# Altium PCB DD2088PoE_Daisy_Chain.PcbDoc (part 4 of 6)
Units mm, origin at the board's own origin, x right, y up, seen from the top; angles counter-clockwise.
Board outline 125 x 63 mm, 6 copper layers (Top Copper, Signal Layer 1, Signal Layer 2, Signal Layer 3, Signal Layer 4, Bottom Copper), stack 1.597 mm thick; 343 components, 263 nets, 1428 pads, 889 vias.
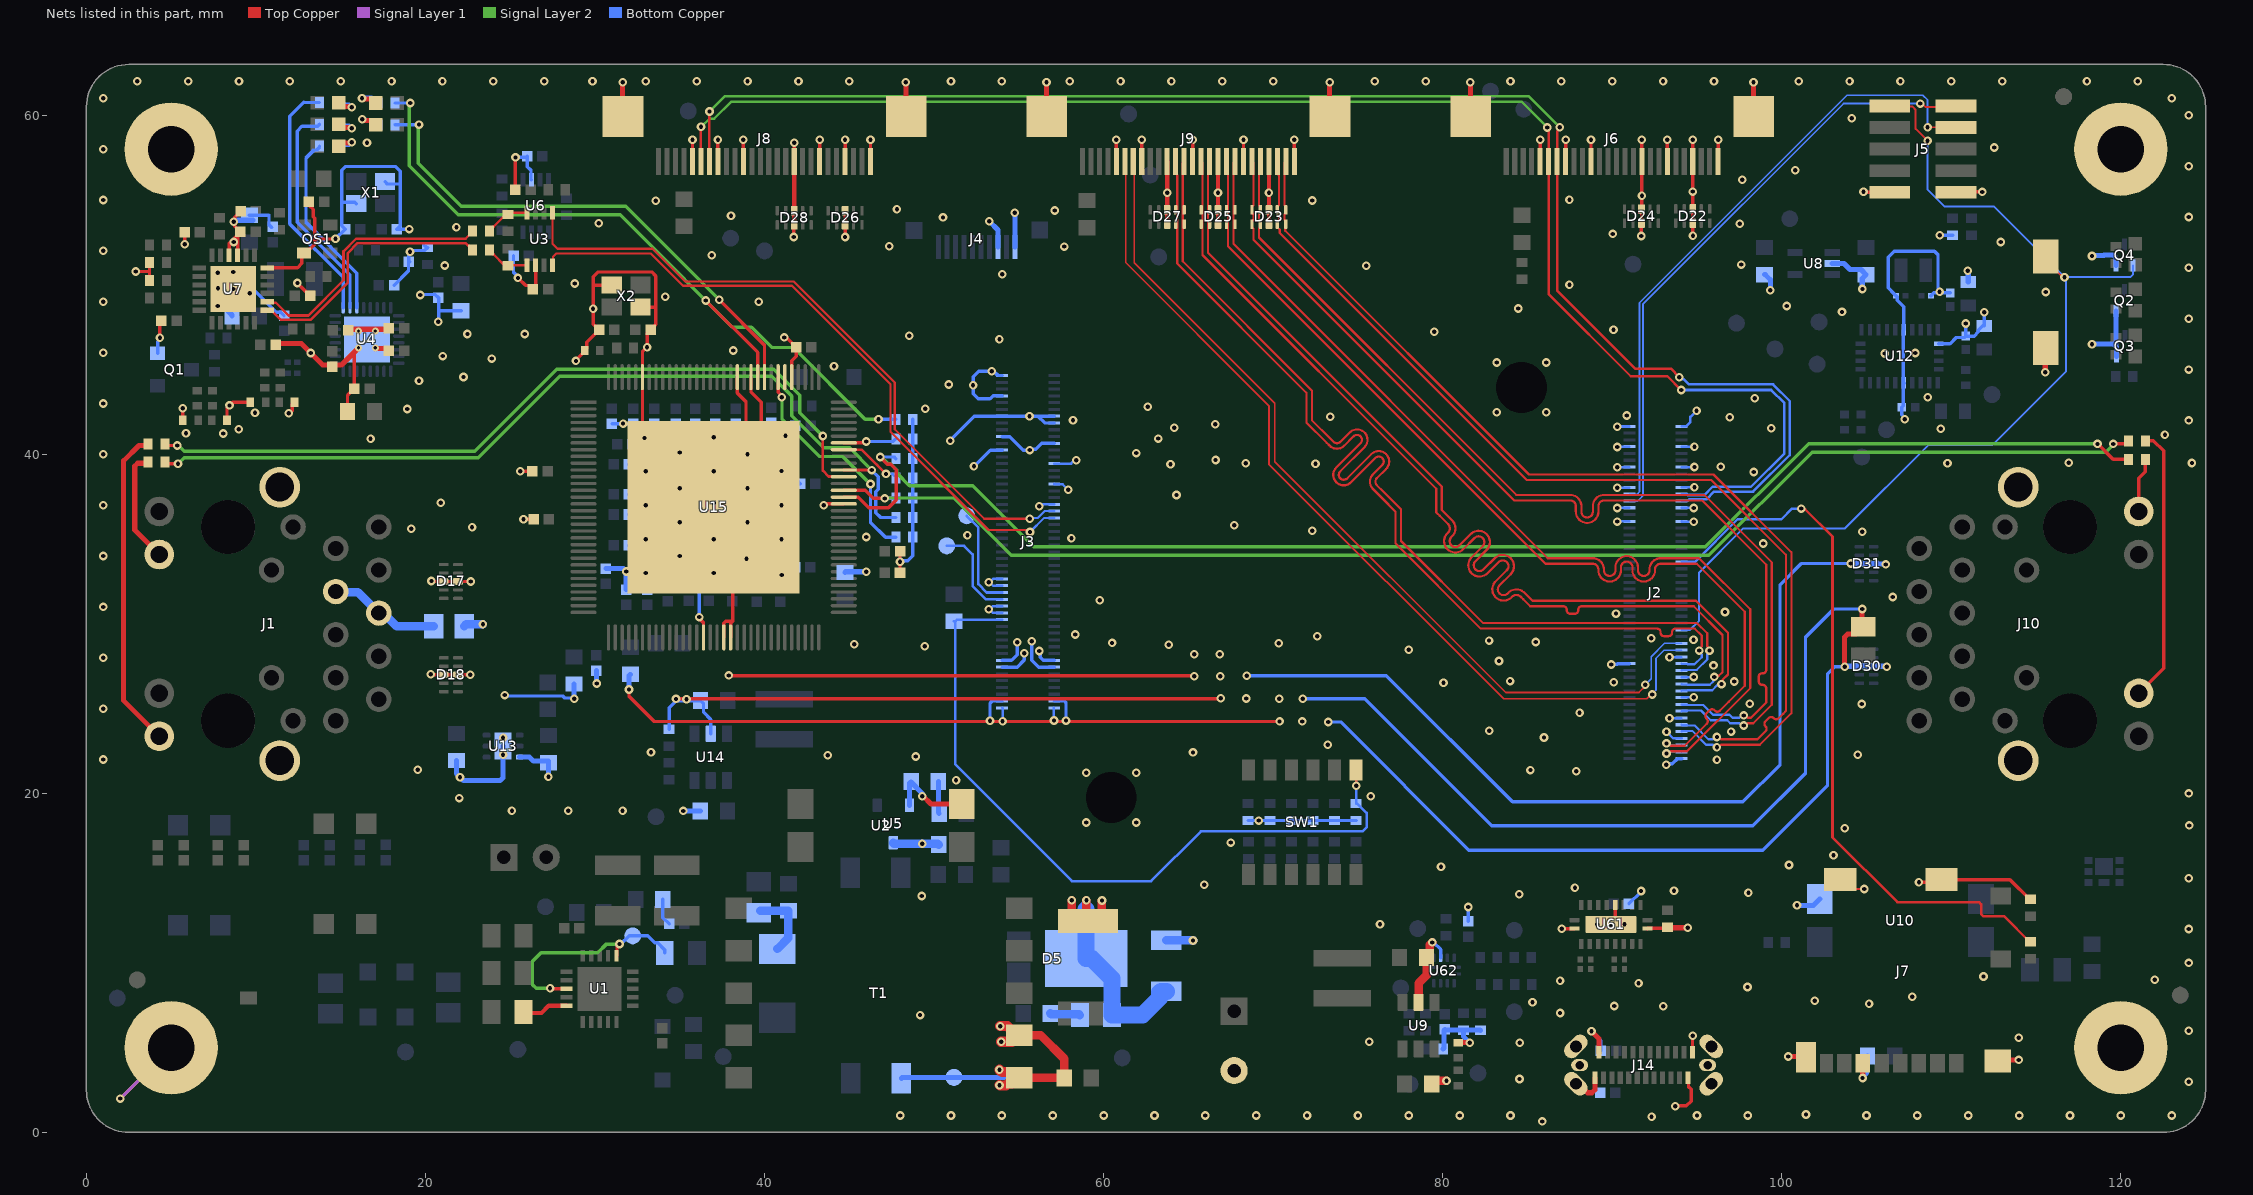
[diagram p8: the nets of this part, all layers, seen from the top]

## Via types
v1: diameter 0.508, hole 0.254, Top Copper to Bottom Copper, 871 vias
v2: diameter 0.406, hole 0.203, Top Copper to Bottom Copper, 8 vias
v3: diameter 0.508, hole 0.254, Top Copper to Bottom Copper, tented both sides, 8 vias
v4: diameter 0.6, hole 0.3, Top Copper to Bottom Copper, 2 vias

## Nets (pads, with @x,y where several pads share a name; then routed paths per layer and width w, separated by ;. In a path a pad name is that pad's centre, name@x,y a point inside that pad or via, vN(x,y) a via of type N, cw(c..) or ccw(c..) an arc to the next point about the centre after c; other vN are vias at no path point) (continued)
GND: B1.1 C6.1 C7.2 C9.1 C18.1 C19.1 C20.2 C21.1 C25.2 C27.2 C28.2 C29.2 C30.2 C31.2 C32.1 C34.1 C36.1 C37.1 C38.1 C39.1 C40.1 C41.1 C42.1 C43.1 C44.1 C45.1 C46.1 C47.1 C48.1 C49.1 C50.1 C52.1 C53.1 C55.1 C56.1 C57.1 C58.1 C59.1 C60.1 C61.1 C62.1 C63.1 C64.1 C67.1 C68.1 C69.1 C70.1 C71.1 C72.1 C73.1 C74.1 C75.1 C76.1 C77.1 C78.1 C79.1 C80.1 C81.1 C82.1 C83.1 C84.1 C85.1 C86.1 C87.1 C88.1 C89.1 C90.1 C91.1 C92.1 C93.1 C94.2 C95.1 C96.1 C97.1 C98.1 C99.1 C100.1 C101.1 C102.1 C103.1 C104.1 C105.1 C106.1 C107.1 C108.1 C109.1 C110.1 C111.1 C112.1 C113.1 C207.1 D17.3 D17.8 D18.3 D18.8 D22.3 D22.8 D23.3 D23.8 D24.3 D24.8 D25.3 D25.8 D26.3 D26.8 D27.3 D27.8 D28.3 D28.8 D30.3 D30.8 D31.3 D31.8 J1.19 J1.20 J2.1 J2.7 J2.13 J2.19 J2.25 J2.30 J2.31 J2.71 J2.72 J2.75 J2.76 J2.81 J2.82 J2.87 J2.88 J2.93 J2.94 J2.99 J2.100 J3.1 J3.2 J3.3 J3.4 J3.13 J3.14 J3.15 J3.16 J3.30 J3.32 J3.38 J3.40 J3.61 J3.67 J3.73 J3.78 J3.79 J3.82 J3.85 J3.87 J3.88 J3.94 J3.100 J4.8 J4.10 J5.9 J5.10 J6.1 J6.4 J6.7 J6.10 J6.16 J6.19 J6.22 J6.MP1 J6.MP2 J7.6 J7.11 J7.12 J7.13 J7.14 J8.1 J8.4 J8.7 J8.10 J8.16 J8.19 J8.22 J8.MP1 J8.MP2 J9.1 J9.4 J9.7 J9.10 J9.13 J9.16 J9.19 J9.22 J9.MP1 J9.MP2 J10.19 J10.20 J14.A1 J14.A12 J14.B1 J14.B12 J14.SH1 J14.SH2 J14.SH3 J14.SH4 J14.SH5 J14.SH6 MH1.1 MH2.1 MP1.1 MP2.1 MP3.1 MP4.1 OS1.2 Q1.2 Q2.2 Q3.2 Q4.2 R15.1 R19.2 R20.2 R21.2 R22.2 R23.2 R31.2 R32.2 R40.2 R41.1 R42.1 R43.1 R44.2 R45.2 R48.1 R62.2 R63.2 R67.1 R69.1 R76.2 R87.2 R90.1 R91.1 R92.1 R93.1 R94.1 R95.1 R96.1 R183.1 R185.2 T1.9 T1.10 TP9.1 U3.2 U4.33 U5.3 U6.2 U7.3 U7.4 U7.24 U7.25 U8.2 U9.2 U10.2 U12.2 U12.10 U12.25 U13.3 U13.7 U14.2 U15.47 U15.50 U15.51 U15.81 U15.101 U15.107 U15.109 U15.123 U15.129 U61.5 U61.11 U61.20 U61.21 U62.10 X1.2 X1.4 X2.2 X2.4 | length 711.8
  Top Copper w0.127: U7.25@7.75,50.518 U7.25@7.75,50.56 ; U7.25@7.75,50.667 v1(8.667,49.75) v1(8.667,50.752) ; U15.129@32.822,40.608 U15.129@36.554,36.877 ; U15.129@33,38.5 34.623,36.877 U15.129@36.554,36.877 ; v1(35,40.104) 35,39.125 v1(36.998,37.127) U15.129@36.998,36.877 U15.129@36.554,36.877 ; U15.129@38.514,35.389 v1(41.015,32.888) ; U15.129@39.802,39.681 41.218,41.097 v1(41.232,41.097) ; J7.12@103.453,14.913 104.004,14.361 v1(104.865,14.361)
  Top Copper w0.2: v1@2.9,50.775 v1(2.912,50.787) 3.725,50.787 ; R45.2@3.725,50.267 3.725,50.787 ; R44.2@3.725,51.308 3.725,50.787 ; v1(4.337,46.871) 4.337,47.787 C29.2@4.425,47.875 ; R41.1@5.691,42.008 v1(5.691,42.716) v1@5.7,42.725 ; v1@5.791,52.5 5.8,52.509 C28.2@5.8,53.1 ; R40.2@8.291,42.008 8.29,42.01 8.29,42.74 8.625,43.075 R43.1@9.675,43.075 ; U7.4@8.417,51.75 8.417,52.447 8.591,52.621 C30.2@8.917,52.947 ; U7.3@8.917,51.75 C30.2@8.917,52.947 ; C32.1@9.093,54.328 8.746,53.981 8.746,53.783 v1(8.687,53.724) 8.746,53.665 8.746,53.462 C30.2@9.089,53.119 C30.2@8.917,52.947 ; U7.24@10.667,51 12.453,51 12.712,51.259 12.712,51.754 OS1.2@12.833,51.875 12.933,51.875 13.46,52.401 13.46,52.7 ; v1(11.943,42.421) 11.996,42.421 12.15,42.575 12.15,42.95 R42.1@12.275,43.075 ; v1(12.448,50.103) 12.835,49.716 12.835,49.711 C31.2@13.2,49.346 ; C20.2@13.159,54.653 13.369,54.443 13.369,54.024 13.46,53.933 13.46,52.7 ; v1(14.692,52.71) 14.682,52.7 13.46,52.7 ; C39.1@15.4,42.525 15.4,43.473 C41.1@15.801,43.874 15.801,45.97 ; v1@20.293,27.006 20.299,27 D18.3@21.083,27 D18.8@21.917,27 v1(22.639,27) ; v1@20.33,32.506 20.335,32.5 D17.3@21.083,32.5 D17.8@21.917,32.5 v1(22.675,32.5) ; C19.1@25.306,55.606 25.306,57.518 v1@25.382,57.595 ; v1(25.453,50.406) v1@25.47,50.389 ; v1@25.503,50.422 v1@25.47,50.389 ; v1(25.59,39) C98.1@26.3,39 ; v1(25.784,36.172) C99.1@26.384,36.172 ; C18.1@26.325,49.85 26.215,49.96 25.899,49.96 v1@25.47,50.389 ; C18.1@26.334,49.75 26.5,49.916 U3.2@26.5,51.15 26.45,51.1 U3.2@26.45,50.85 ; v1(28.874,45.51) 28.874,45.562 29.39,46.077 R87.2@29.39,46.127 29.515,46.252 29.515,46.617 C111.1@30.249,47.352 ; C111.1@30.149,47.352 30.149,47.452 30.039,47.562 30.011,47.562 29.894,47.679 29.894,49.98 ; X2.2@30.987,49.98 29.894,49.98 ; v1(32.005,26.13) 32.005,25.722 33.484,24.243 70.376,24.243 v1(70.379,24.246) ; X2.4@32.687,48.68 33.555,48.68 33.586,48.65 ; C110.1@33.281,47.353 33.071,47.143 v1(33.071,46.319) 32.798,46.046 U15.123@32.798,44.552 32.798,41.077 U15.129@36.998,36.877 ; C110.1@33.307,47.327 33.307,47.38 33.586,47.658 33.586,48.65 ; v1(34.779,25.573) 34.797,25.591 66.882,25.591 v1(66.9,25.609) ; J8.22@35.75,57.275 v1(35.75,58.55) ; v1(36.145,30.4) 36.145,30.317 36.398,30.063 U15.47@36.398,29.201 ; J8.19@37.25,57.275 v1(37.25,58.55) ; U15.50@37.598,29.201 37.598,30.037 37.715,30.154 38.117,30.154 ; v1(37.895,26.959) 37.922,26.933 65.311,26.933 v1(65.337,26.907) ; U15.51@37.998,29.201 37.998,30.035 38.117,30.154 ; U15.109@38.398,44.552 38.398,43.618 38.907,43.11 U15.129@38.907,38.785 ; U15.129@38.5,35.375 U15.129@38.117,35.758 ; J8.16@38.75,57.275 v1(38.75,58.55) ; U15.107@39.198,44.552 39.198,43.685 39.802,43.08 39.802,39.681 U15.129@38.907,38.785 ; v1(41.169,46.895) 41.228,46.836 41.336,46.836 41.869,46.303 41.869,46.14 41.86,46.131 41.86,45.794 41.598,45.533 U15.101@41.598,44.552 ; v1(41.721,52.819) D28.3@41.721,54.094 ; J8.10@41.75,57.103 J8.10@41.75,57.275 v1(41.75,58.378) ; J8.7@43.25,57.275 v1(43.25,58.55) ; v1(43.5,37) 43.583,37 43.66,37.077 U15.81@44.674,37.077 ; v1(44.75,52.817) D26.3@44.75,54.438 ; J8.4@44.75,57.275 v1(44.75,58.55) ; J8.1@46.25,57.275 v1(46.25,58.55) ; C105.1@47.99,33.026 47.99,34.268 C107.1@47.998,34.277 ; J9.22@60.75,57.275 v1(60.75,58.55) ; J9.19@62.25,57.275 v1(62.25,58.55) ; J9.13@65.25,57.275 v1(65.25,58.55) ; J9.7@68.25,57.275 v1(68.25,58.55) ; J9.1@71.25,57.275 v1(71.25,58.55) ; J6.22@85.75,57.275 v1(85.75,58.55) ; v1@87,12 v1(87.025,12.025) U61.11@87.775,12.025 ; J6.19@87.25,57.275 v1(87.25,58.55) ; J6.16@88.75,57.275 v1(88.75,58.55) ; v1(89.925,12.275) 90.175,12.525 U61.5@90.175,13.425 ; v1(91.707,52.879) 91.716,52.888 91.716,53.581 91.707,53.59 91.725,53.608 D24.8@91.725,53.633 91.725,54.466 91.738,54.479 91.738,55.231 v1(91.751,55.245) ; v1@91.751,55.245 J6.10@91.75,57.275 ; J6.10@91.75,57.275 v1(91.75,58.55) ; U61.20@92.075,12.025 92.1,12.05 93.2,12.05 93.225,12.075 R185.2@93.25,12.1 ; J6.7@93.25,57.275 v1(93.25,58.55) ; v1(93.724,1.542) 93.753,1.571 94.378,1.571 94.657,1.85 94.657,2.543 94.5,2.7 94.5,3.195 J14.A1@94.475,3.22 ; J14.B12@94.725,4.73 94.734,4.739 94.734,5.691 v1(94.742,5.699) ; v1(94.75,58.55) J6.4@94.75,57.275 v1(94.75,55.5) D22.8@94.75,53.64 94.755,53.635 94.755,52.903 v1(94.76,52.898) ; J6.1@96.25,57.275 v1(96.25,58.55) ; v1@104.728,55.49 v1(104.819,55.49) 104.91,55.49 104.94,55.46 J5.9@106.375,55.46 ; v1(108.092,14.756) 109.266,14.756 J7.11@109.423,14.913 113.463,14.913 114.626,13.75 R67.1@114.676,13.75 ; J5.10@110.275,55.46 110.294,55.479 v1(111.83,55.479) ; 29.894,49.98 29.894,50.468 30.182,50.757 33.348,50.757 33.586,50.519 33.586,48.65 ; U15.129@36.998,36.877 U15.129@38.907,38.785 ; U15.129@36.998,36.877 U15.129@38.117,35.758 ; 38.117,30.154 U15.129@38.117,35.758
  Top Copper w0.254: D28.8@41.75,53.534 J8.10@41.75,57.103 ; D27.8@63.75,53.583 D27.3@63.75,54.418 v1(63.75,55.428) J9.16@63.75,57.275 ; D25.8@66.75,53.583 v1(66.75,55.429) J9.10@66.75,57.275 ; D23.8@69.75,53.583 v1(69.75,55.429) J9.4@69.75,57.275
  Top Copper w0.3: C27.2@11.095,46.541 12.675,46.541 13.943,45.273 14.392,45.273 C47.1@14.496,45.169 14.6,45.273 15.048,45.273 v2(16.05,46.275) ; C44.1@15.438,47.306 15.509,47.377 17.768,47.377 C42.1@17.839,47.448 ; v2(17.05,46.275) 17.07,46.255 17.706,46.255 C43.1@17.839,46.121 ; v1(31.632,61.947) 31.632,59.943 J8.MP2@31.65,59.925 ; v1(48.332,61.947) 48.332,59.943 J8.MP1@48.35,59.925 ; v1(56.632,61.947) 56.632,59.943 J9.MP2@56.65,59.925 ; v1(73.332,61.947) 73.332,59.943 J9.MP1@73.35,59.925 ; R69.1@80.914,5.3 v1(81.6,5.3) ; v1(81.632,61.947) 81.632,59.943 J6.MP2@81.65,59.925 ; J14.SH2@87.855,2.875 88.017,2.875 88.552,2.341 88.799,2.341 88.975,2.517 J14.A12@88.975,3.22 ; v1(88.778,5.976) 89.225,5.529 J14.B1@89.225,4.73 ; R185.2@93.225,12.075 v1(94.453,12.077) v1(94.453,12.077) ; v1(98.332,61.947) 98.332,59.943 J6.MP1@98.35,59.925 ; v1(100.375,4.484) 101.381,4.484 J7.13@101.428,4.437 ; v1@101.428,1.06 v1(101.429,1.06) ; v1(103.719,27.469) 103.709,27.48 103.709,29.232 103.885,29.408 104.379,29.408 C113.1@104.8,29.829 ; C113.1@104.743,29.886 v1(104.743,30.876) ; v1(104.767,3.212) 104.777,3.223 104.777,4.077 J7.6@104.788,4.088 ; J7.14@112.748,4.213 112.814,4.279 v1(113.971,4.279) ; v1(115.542,44.842) 115.542,46.242 B1.1@115.575,46.275
  Top Copper w0.5: T1.10@55.023,3.225 C9.1@57.675,3.225 57.675,4.35 56.3,5.725 T1.9@55.023,5.725 ; U9.2@78.575,7.675 78.575,8.8 79.05,9.275 C57.1@79.05,10.275 ; C57.1@79.05,10.325 C57.1@79.05,10.275 ; C56.1@79.35,2.85 79.35,2.858 79.55,3.058 80.224,3.058 v1(80.226,3.059) ; v1(79.389,11.21) 79.389,11.208 79.25,11.069 79.25,10.475 C57.1@79.05,10.275
  Top Copper w0.6: v1(53.854,3.703) 53.997,3.56 54.58,3.56 54.915,3.225 54.58,2.89 54.363,2.89 54.241,2.768 53.882,2.768 v1(53.859,2.792) ; v1(53.899,6.273) 54.335,6.273 54.914,5.694 54.914,5.685 54.58,5.351 53.96,5.351 v1(53.954,5.357)
  Signal Layer 1 w0.2: v1(2,2) MP2.1@5,5
  Signal Layer 2 w0.2: v1(2,2) MP2.1@5,5
  Bottom Copper w0.15: v1(53.233,30.856) v1@53.281,30.856 ; v1(53.233,32.456) v1@53.281,32.456 ; J3.2@54.01,25.05 54.024,25.05 54.039,25.035 v1(54.039,24.256) ; J3.30@54.01,30.65 53.487,30.65 v1@53.281,30.856 ; J3.32@54.01,31.05 53.482,31.05 53.288,30.856 v1@53.281,30.856 ; J3.38@54.01,32.25 53.487,32.25 v1@53.281,32.456 ; J3.40@54.01,32.65 53.482,32.65 53.288,32.456 v1@53.281,32.456 ; v1(56.2,36.934) 56.297,36.934 56.412,37.05 J3.61@57.09,37.05 ; J3.1@57.057,25.05 57.072,25.035 v1(57.072,24.299) ; J3.67@57.09,38.25 57.105,38.235 57.575,38.235 57.906,37.903 v1(57.92,37.903) ; J3.73@57.09,39.45 58.076,39.45 58.286,39.659 v1(58.383,39.659) ; v1@90.308,36.042 J2.72@91.002,36.042 ; v1@90.308,36.842 J2.76@91.002,36.842 ; v1@90.308,38.042 J2.82@91.002,38.042 ; v1@90.308,39.242 J2.88@91.002,39.242 ; v1@90.308,40.442 J2.94@91.002,40.442 ; v1@90.308,41.642 J2.100@91.002,41.642 ; v1(93.2,23.638) 93.207,23.63 93.22,23.63 93.6,23.25 J2.7@94.09,23.25 ; v1@93.388,24.442 J2.13@94.082,24.442 ; v1@93.388,28.042 J2.31@94.082,28.042 ; J2.81@94.09,38.05 v1(94.849,38.05) ; J2.87@94.09,39.25 v1(94.849,39.25) ; J2.93@94.09,40.45 v1(94.849,40.45) ; J2.99@94.09,41.65 94.35,41.65 94.612,41.912 94.612,42.207 v1(94.977,42.572) ; J2.19@94.098,25.658 v1@94.792,25.658 ; J2.25@94.098,26.858 v1@94.792,26.858 ; J2.71@94.098,36.042 94.105,36.035 94.783,36.035 v1(94.8,36.018) ; J2.75@94.098,36.842 v1@94.792,36.842
  Bottom Copper w0.2: v1(2,2) MP2.1@5,5 ; Q1.2@4.2,45.95 4.2,46.65 4.337,46.787 v1(4.337,46.871) ; v1(8.667,49.75) 9.842,49.75 11.21,48.382 11.461,48.382 C34.1@11.657,48.186 ; C36.1@9.615,54.109 10.762,54.109 10.771,54.1 10.771,53.546 C37.1@10.938,53.379 ; v1(14.692,52.71) C48.1@15.267,53.285 15.057,53.495 15.057,54.88 ; X1.4@15.917,54.785 15.821,54.88 15.057,54.88 ; X1.2@17.617,56.085 17.756,55.946 18.518,55.946 ; C45.1@18.15,49.975 18.999,50.824 18.999,51.296 C46.1@19.069,51.366 ; C46.1@19.025,51.35 19.025,51.889 v1(19.086,51.95) 19.161,52.025 19.95,52.025 R48.1@20.125,52.2 20.075,52.2 R48.1@19.9,52.375 ; v1@19.046,53.285 C49.1@18.317,53.285 18.518,53.486 18.518,55.946 ; v1@19.725,49.425 20.575,49.425 C40.1@20.75,49.25 20.775,49.225 20.775,47.942 20.658,47.825 v1@20.65,47.825 ; 20.8,48.472 20.803,48.475 C38.1@22.1,48.475 ; v1(24.675,25.8) 24.729,25.746 28.093,25.746 28.213,25.626 28.715,25.626 v1(28.767,25.574) ; C53.1@25.194,51.713 25.194,50.749 25.453,50.49 v1(25.453,50.406) ; v1(25.31,57.513) 25.938,57.513 C52.1@26,57.575 26,56.973 26.224,56.749 26.224,56.226 U6.2@26.25,56.2 ; C71.1@31,41.8 C81.1@32.25,41.8 32.862,41.188 32.862,41.02 v1(32.921,40.962) ; C77.1@32,34.636 32.61,34.636 32.974,35 v1(33,35) ; C86.1@32,36.451 32.49,36.941 32.941,36.941 v1(33,37) 32.941,37.059 32.588,37.059 C87.1@32,37.646 ; C72.1@32,39.425 32.575,39.425 v1(33,39) ; C82.1@32.222,40.608 32.432,40.818 32.695,40.818 32.838,40.962 v1(32.921,40.962) ; v1(33,33) 33,32.109 C84.1@33.088,32.021 ; C68.1@33.5,41.8 33.313,41.613 33.313,41.353 v1(32.921,40.962) ; C69.1@34.282,32.234 34.282,33.282 v1(35,34) ; R76.2@34.375,23.791 34.375,25.05 34.793,25.468 C64.1@36.228,25.468 36.401,25.294 36.401,24.785 36.828,24.358 U14.2@36.828,23.518 ; C79.1@34.75,41.8 34.75,40.437 35,40.187 v1(35,40.104) 35.912,41.016 C80.1@35.912,41.798 ; C104.1@35.523,32.252 C103.1@36.613,32.252 ; v1(36.145,30.4) 36.146,30.402 36.146,32.164 ; C103.1@36.613,32.164 C103.1@36.701,32.252 36.911,32.462 36.911,32.827 37,32.917 v1(37,33) 37.059,32.941 37.398,32.941 C109.1@38.107,32.232 ; v1(37,41) 37,41.715 C75.1@37.089,41.804 ; C97.1@38.307,41.799 39,41.106 v1(39,40) ; v1(38.935,33.835) 39.546,33.225 C102.1@39.546,32.212 ; C89.1@40.402,41.852 41.157,41.097 v1(41.232,41.097) 41.232,41.107 C112.1@41.825,41.7 ; C108.1@40.923,32.191 41.015,32.283 v1(41.015,32.888) 41.074,32.947 41.404,32.947 C101.1@41.805,33.348 ; v1(40.998,39.014) 41.057,38.955 41.407,38.955 C100.1@42.098,38.264 ; v1(47.99,33.664) 48.048,33.723 48.455,33.723 48.75,34.018 R96.1@48.75,35.117 R95.1@48.75,36.275 R94.1@48.75,37.433 R93.1@48.75,38.592 R92.1@48.75,39.75 R91.1@48.75,40.908 R90.1@48.75,42.067 ; v1(50.95,40.8) 50.95,40.825 52.375,42.25 J3.88@54.01,42.25 v1(55.63,42.25) 56.128,42.25 ; v1(52.35,39.3) 52.375,39.3 53.325,40.25 J3.78@54.01,40.25 ; v1(53.3,24.281) 53.3,25.333 53.417,25.45 J3.4@54.01,25.45 ; J3.14@54.01,27.45 54.895,27.45 55.312,27.868 v1(55.312,28.275) ; J3.16@54.01,27.85 54.569,27.85 54.9,28.181 v1(54.9,28.912) ; J3.82@54.01,41.05 54.02,41.04 54.466,41.04 55.256,40.25 v1(55.65,40.25) 55.69,40.29 55.993,40.29 56.353,40.65 J3.79@57.09,40.65 ; J3.94@54.009,43.451 53.478,43.451 53.3,43.272 52.603,43.272 52.3,43.575 v1(52.3,44.075) 52.3,44.575 52.622,44.897 53.523,44.897 53.77,44.65 J3.100@54.01,44.65 ; v1(55.763,28.976) 55.763,27.853 56.167,27.45 J3.13@57.09,27.45 ; v1(56.202,28.403) 56.261,28.344 56.261,28.029 56.44,27.85 J3.15@57.09,27.85 ; J3.3@57.072,25.465 57.665,25.465 57.782,25.347 v1(57.782,24.296) ; J3.85@57.09,41.85 56.528,41.85 56.128,42.25 ; J3.87@57.09,42.25 56.128,42.25 ; v1(68.446,26.937) 76.682,26.937 84.119,19.5 97.7,19.5 99.898,21.698 99.898,32.298 101.161,33.561 v1(104.062,33.561) ; R23.2@68.525,18.4 R22.2@69.8,18.4 R21.2@71.075,18.4 R20.2@72.35,18.4 R19.2@73.625,18.4 R63.2@74.9,18.4 ; v1(71.746,25.587) 75.404,25.587 82.891,18.1 98.3,18.1 101.4,21.2 101.4,29.2 103.076,30.876 v1(104.743,30.876) ; v1(73.246,24.214) 73.977,24.214 81.535,16.656 98.887,16.656 102.701,20.47 102.701,27.056 103.114,27.469 v1(103.719,27.469) ; v1@79.483,11.187 79.874,10.795 U62.10@79.874,10.3 ; C76.1@81.5,12.45 v1(81.5,13.3) ; v1(88.778,5.976) 89.329,5.425 C73.1@89.329,4.825 ; v1(89.951,27.601) 89.976,27.627 90.3,27.627 90.323,27.65 J2.30@91.01,27.65 ; v1(90.3,40.433) v1@90.308,40.442 ; C74.1@90.988,13.482 91.703,14.197 v1(91.703,14.243) ; v1(93.183,21.694) 93.241,21.753 93.553,21.753 93.85,22.05 J2.1@94.09,22.05 ; U12.10@107.2,44.212 U12.10@107.225,44.187 ; v1(107.256,42.063) 107.256,42.141 107.075,42.323 C94.2@107.075,42.775 107.175,42.875 107.175,47.312 U12.25@107.2,47.337 107.2,48.7 106.811,49.089 106.811,49.297 106.751,49.357 C95.1@106.731,49.357 106.711,49.357 106.651,49.417 106.651,49.437 106.27,49.818 106.27,51.633 106.626,51.989 109.01,51.989 109.215,51.784 109.215,49.529 v1@109.211,49.525 ; C96.1@108.791,49.357 108.811,49.357 108.871,49.417 108.871,49.437 108.973,49.539 108.987,49.525 v1@109.211,49.525 ; U12.2@109.262,46.525 109.926,46.525 110.293,46.891 110.769,46.891 C91.1@110.853,46.975 ; v1@109.3,52.9 109.325,52.925 R62.2@110.075,52.925 ; C93.1@109.938,49.525 v1@109.211,49.525 ; v1@110.825,47.75 110.853,47.722 C91.1@110.853,46.975 ; v1@111.9,48.425 111.95,48.375 C90.1@111.95,47.575 111.85,47.575 111.6,47.325 111.6,47.225 111.35,46.975 C91.1@110.853,46.975 ; 15.057,54.88 15.057,55.119 15.05,55.125 15.05,56.749 15.276,56.975 18.25,56.975 18.518,56.706 18.518,55.946
  Bottom Copper w0.3: v1(7.75,48.75) 7.79,48.71 8.097,48.71 8.588,48.219 C21.1@8.588,48.169 ; v1(8.687,53.724) 8.743,53.724 8.828,53.809 C36.1@9.829,53.809 ; C58.1@21.828,21.937 21.828,21.172 22.25,20.75 24.403,20.75 24.578,20.926 v1(24.578,22.287) U13.7@24.578,22.787 ; U13.3@25.553,22.137 26.132,22.137 26.368,21.9 27.25,21.9 v1@27.25,21.074 ; C67.1@28.75,26.45 28.767,26.433 v1(28.767,25.574) ; C70.1@30.085,27.249 30.085,26.492 v1(30.094,26.483) ; C83.1@30.642,33.257 30.647,33.262 31.664,33.262 v1(31.84,33.086) C85.1@31.84,32.021 ; v1(32.005,26.13) 32,26.135 32,26.942 C78.1@32.081,27.023 ; v1@35.168,18.968 v1(35.204,18.968) C60.1@36.215,18.968 ; C88.1@44.743,33.034 44.783,33.074 v1(45.992,33.074) ; C25.2@48.075,3.2 48.125,3.25 TP9.1@51.174,3.25 54.223,3.25 ; v1(53.25,53.75) 53.767,53.233 J4.8@53.767,52.231 ; v1(54.75,54.25) 54.764,54.236 54.764,52.233 J4.10@54.767,52.231 ; R183.1@80.025,4.925 80.075,4.975 80.075,6.025 C61.1@80.125,6.075 80.15,6.05 82.2,6.05 R31.2@82.225,6.025 ; R32.2@81.225,6.025 81.218,6.018 81.218,5.673 81.591,5.3 v1(81.6,5.3) ; C63.1@98.975,50.6 99.025,50.6 99.325,50.3 v1(99.325,49.676) ; v1(100.9,13.4) 101.87,13.4 U10.2@102.24,13.77 ; U8.2@102.975,51.25 103.675,51.25 104.025,50.9 104.675,50.9 C62.1@104.975,50.6 104.75,50.375 v1@104.75,49.75 ; v1(103.719,27.469) 103.75,27.5 D30.3@104.583,27.5 D30.8@105.418,27.5 106.176,27.5 v1(106.2,27.476) ; v1(104.062,33.561) 104.062,33.56 D31.8@105.289,33.56 ; v1(104.767,3.212) 104.767,3.269 105,3.502 105,4.442 C55.1@105.058,4.5 ; D31.8@105.418,33.55 105.439,33.529 106.113,33.529 v1(106.135,33.507) ; v1(110.977,50.83) 111,50.807 C92.1@111,50.175 ; v1(118.3,46.5) 119.569,46.5 119.725,46.344 ; v1(118.3,51.7) 118.34,51.74 118.996,51.74 119.012,51.756 119.549,51.756 119.725,51.58 Q4.2@119.725,51.146 ; Q2.2@119.725,48.459 119.725,46.344 ; Q3.2@119.745,45.771 119.745,46.324 119.725,46.344
  Bottom Copper w0.5: C50.1@22.275,29.849 22.403,29.977 v1(23.389,29.979) v1(23.389,29.979) ; U5.3@47.598,17.1 47.598,17.063 47.623,17.038 v1(49.298,17.038) 50.211,17.038 R15.1@50.273,16.975 ; C6.1@63.7,11.325 v1(65.275,11.325) v1@65.3,11.3
  other v1: 85.872,0.651 92.321,0.933 48,1 51,1 54,1 57,1 60,1 63,1 66,1 69,1 72,1 75,1 78,1 81,1 84,1 95,1 98,1 105,1 108,1 111,1 114,1 117,1 120,1 123,1 124,3 84.532,3.153 84.55,5.3 75.675,5.35 113.975,5.582 124,6 49.175,6.925 86.923,7.048 90.126,7.461 93.006,7.445 105.15,7.6 85.298,7.685 101.95,7.775 107.7,8 97.977,8.578 91.555,8.799 86.923,8.958 122,9 111.9,9.2 124,10 124,12 76.3,12.275 89.125,12.275 90.725,12.275 49.276,13.947 84.525,14.05 98.033,14.132 93.642,14.26 87.8,14.431 65.938,14.618 124,15 79.9,15.675 100.426,15.778 103.05,16.35 67.5,17.1 103.717,17.936 124.028,18.111 69.154,18.397 25.1,18.975 28.425,18.975 31.625,18.975 22,19.725 75.75,19.825 124,20 51.297,20.769 22.039,20.961 27.253,20.989 87.875,21.3 85.175,21.375 19.544,21.387 96.175,21.984 1,22 48.925,22.175 43.725,22.25 104.475,22.275 65.275,22.417 33.3,22.425 73.221,22.873 24.578,23.287 85.975,23.3 97.009,23.648 82.75,23.7 71.721,24.246 93.38,24.433 88.074,24.754 1,25 98.111,25.284 104.725,25.275 35.396,25.56 68.421,25.596 70.354,25.587 94.8,25.667 80.05,26.525 90.092,26.557 97.2,26.6 83.975,26.625 94.8,26.867 66.874,26.904 20.315,27.028 95.975,27.55 83.32,27.808 1,28 93.38,28.033 65.354,28.209 66.855,28.215 78,28.475 49.45,28.675 63.85,28.775 45.3,28.8 60.5,28.875 70.325,28.85 85.485,28.933 82.736,29.014 94.797,29.054 92.3,29.15 72.6,29.275 58.325,29.375 90.22,30.606 96.65,30.7 1,31 59.775,31.4 106.55,31.585 20.351,32.528 1,34 98.901,34.743 37,35 41,35 58.1,35.05 46,35.121 51.967,35.234 104.741,35.425 72.3,35.5 19.159,35.618 22.75,35.7 67.7,35.825 35,36 39,36 90.3,36.033 90.3,36.833 94.8,36.833 1,37 41,37 20.9,37.15 64.3,37.6 35,38 39,38 90.3,38.033 98.34,38.956 37,39 90.3,39.233 96.402,39.27 63.948,39.423 72.5,39.45 68.375,39.475 109.775,39.475 124.193,39.489 116.925,39.5 66.605,39.669 1,40 61.925,40.075 16.762,40.915 63.216,40.93 122.6,41.15 5.877,41.243 8.073,41.23 8.987,41.471 109.375,41.5 99.38,41.547 64.164,41.566 90.3,41.633 66.59,41.779 31.655,41.813 124,42 58.196,42.009 96.931,42.183 73.375,42.225 90.86,42.29 9.944,42.444 18.925,42.676 49.487,42.68 62.6,42.8 8.441,42.885 1,43 98.408,43.312 108.618,43.369 50.872,44.121 19.617,44.347 22.24,44.564 53.399,44.907 124,45 44.096,45.187 23.903,45.649 21.022,45.796 106.075,45.95 13.237,45.979 107.875,45.975 1,46 38.156,46.127 53.855,46.79 48.533,46.999 22.475,47.1 25.85,47.1 79.5,47.225 90.075,47.35 110.853,47.718 20.751,47.829 124,48 103.55,48.4 111.938,48.388 29.887,48.595 84.45,48.6 100.3,48.75 1,49 39.65,49 34.15,49.3 19.684,49.399 9.628,49.499 115.575,49.575 109.308,49.584 104.757,49.751 7.765,49.789 87.475,50 28.8,50.075 54.025,50.625 7.75,50.708 124,51 75.5,51.125 21.143,51.137 97.61,51.194 36.881,51.735 1,52 57.673,52.255 47.354,52.279 5.794,52.387 8.688,52.524 112.925,52.525 109.32,52.92 90.025,53 19.046,53.287 21.825,53.4 97.525,53.6 30.217,53.633 50.525,53.975 124,54 38.024,54.068 57.118,54.384 47.809,54.448 33.575,54.95 72.3,54.975 1,55 87.475,55.025 97.675,56.2 100.8,56.75 124,57 1,58 112.525,58.1 16.55,58.375 104.125,59.825 124,60 1,61 123,61 3,62 6,62 9,62 12,62 15,62 18,62 21,62 24,62 27,62 29.85,62.005 33,62 36,62 39,62 42,62 45,62 51,62 54,62 58,62 61,62 64,62 67,62 70,62 76,62 79,62 84,62 87,62 90,62 93,62 96,62 101,62 104,62 107,62 110,62 113,62 118,62 121,62